# Altium PCB MainBoard.PcbDoc (part 3 of 4)
Units mm, origin at the board's own origin, x right, y up, seen from the top; angles counter-clockwise.
Board outline 107.12 x 107.12 mm, 4 copper layers (Top Layer, Internal Plane 1, Internal Plane 2, Bottom Layer), stack 1.56 mm thick; 344 components, 254 nets, 1322 pads, 508 vias.
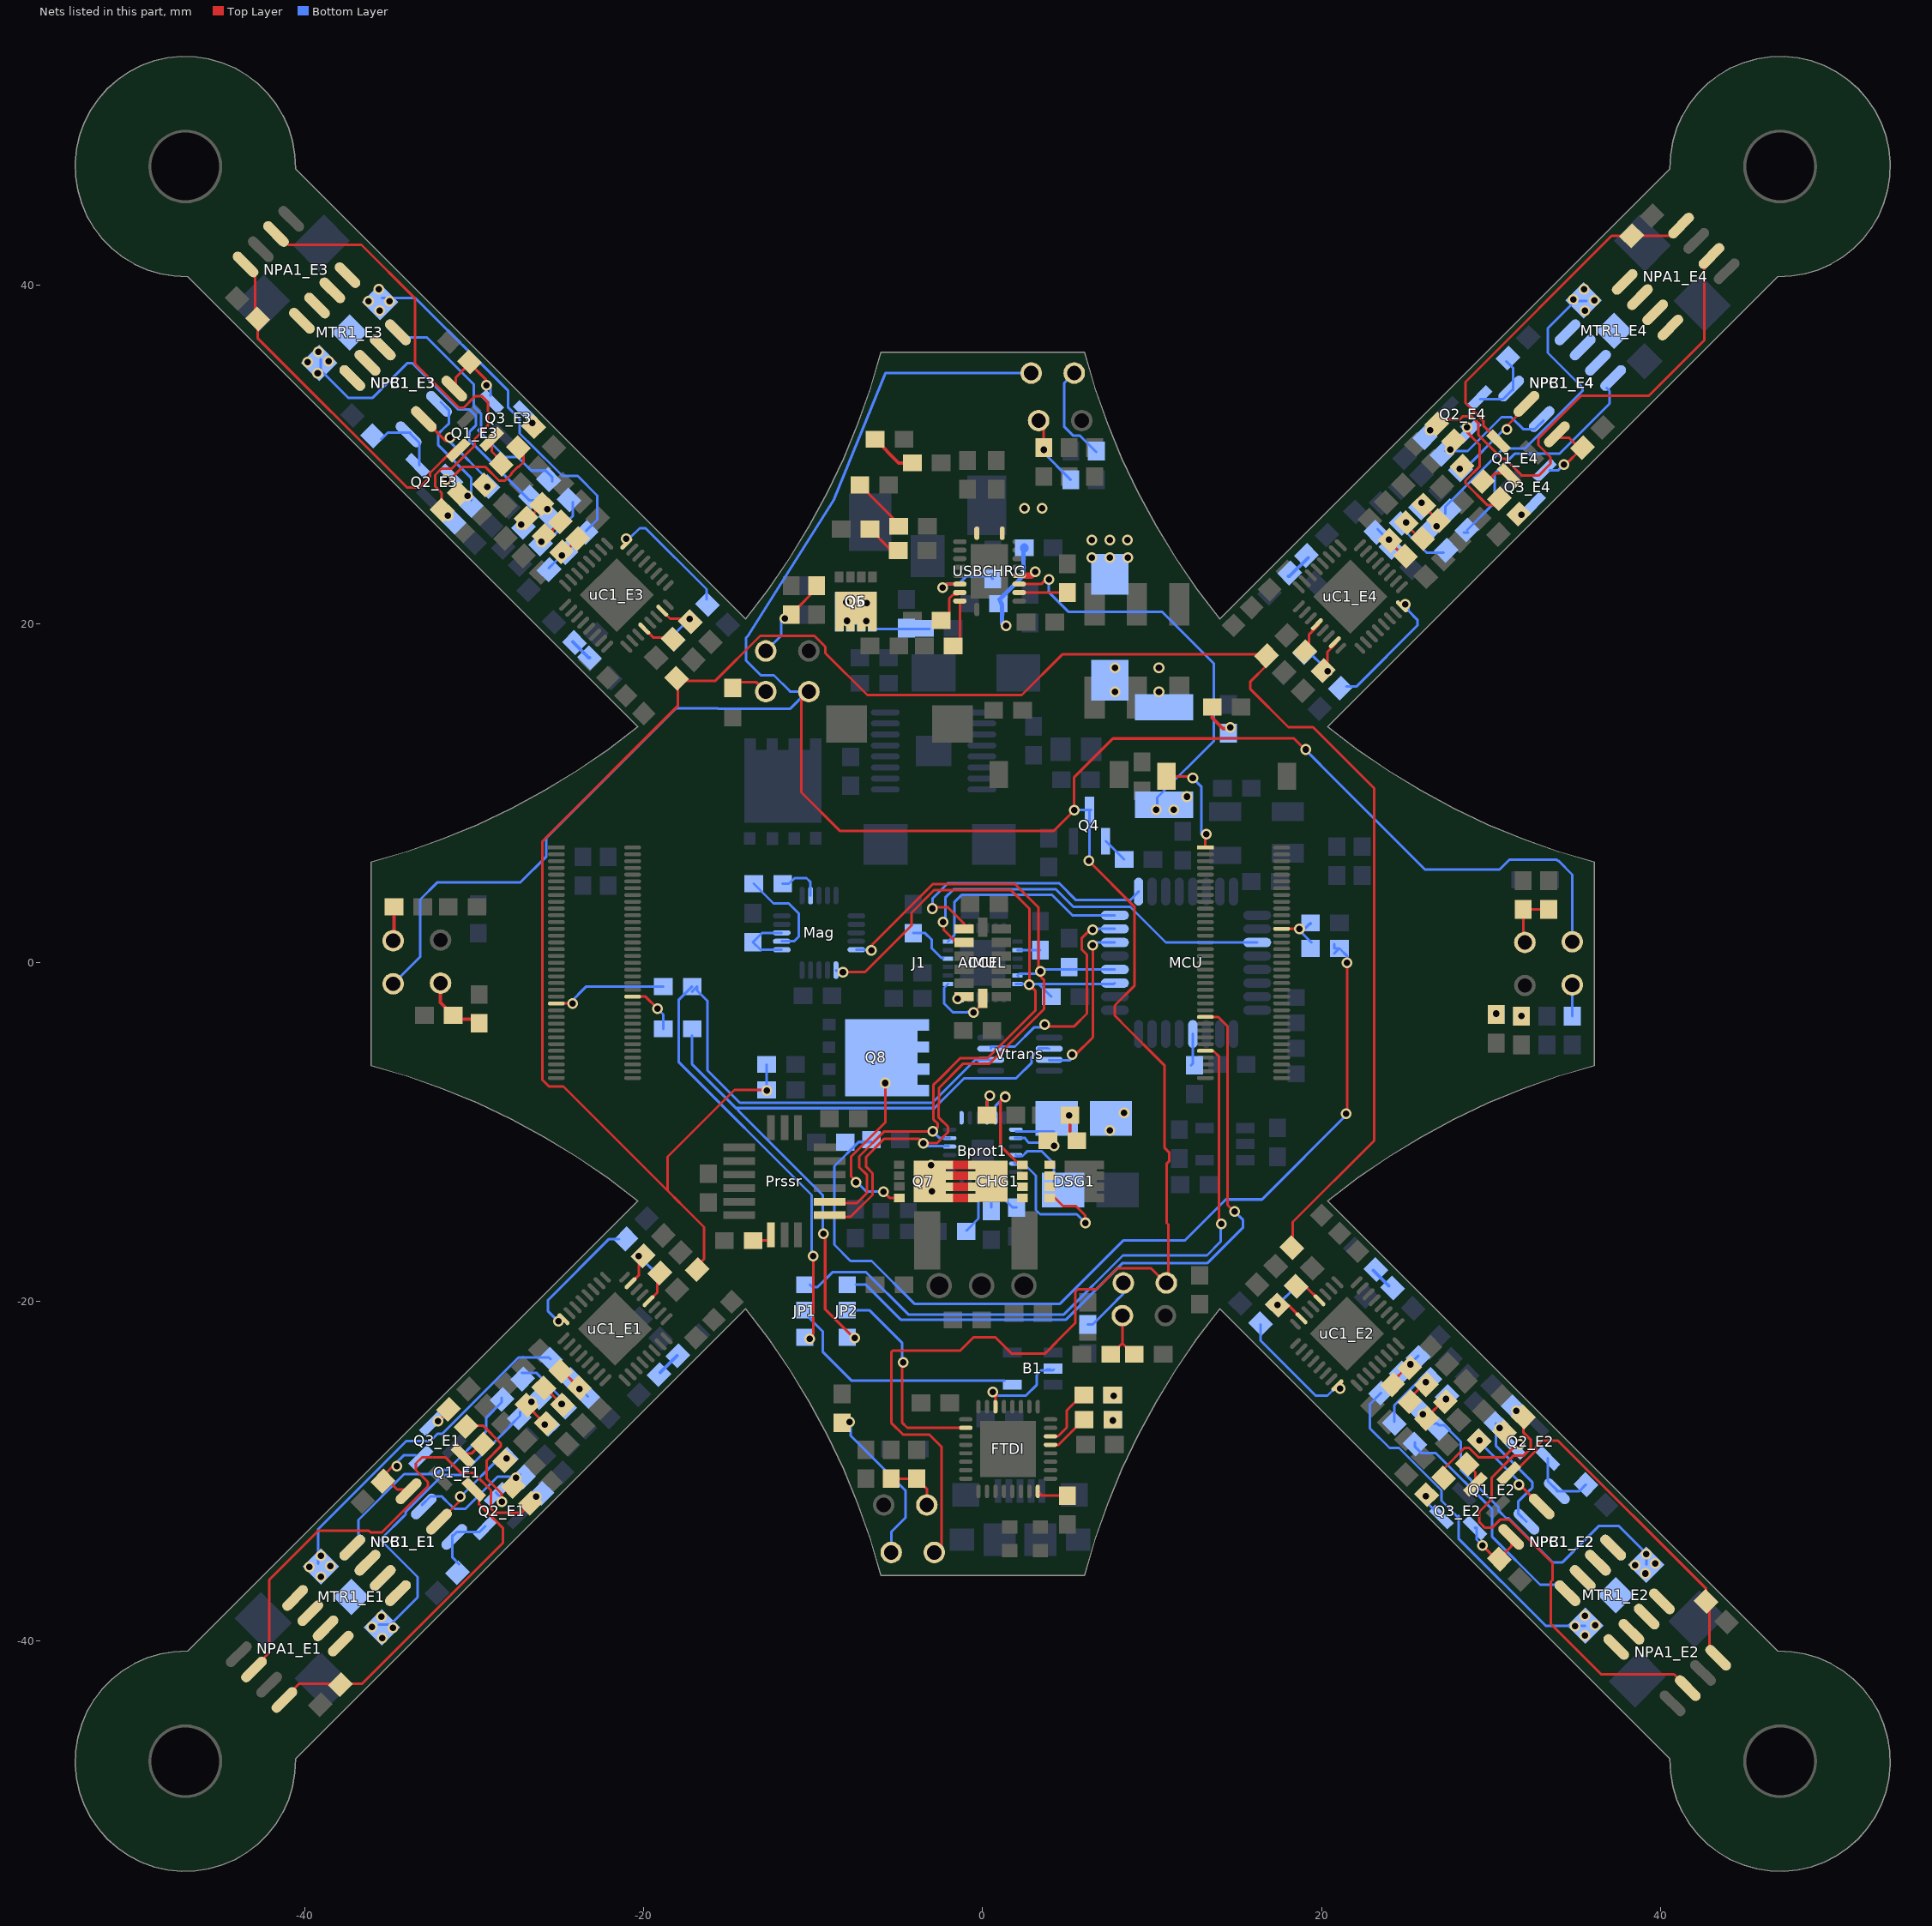
[diagram p5: the nets of this part, all layers, seen from the top]

## Via types
v1: diameter 0.635, hole 0.381, Top Layer to Bottom Layer, 475 vias
v2: diameter 1.304, hole 1.05, Top Layer to Bottom Layer, 8 vias
v3: diameter 1.804, hole 1.55, Top Layer to Bottom Layer, 8 vias
v4: diameter 2.006, hole 1.65, Top Layer to Bottom Layer, 4 vias
v5: diameter 1.006, hole 0.65, Top Layer to Bottom Layer, 4 vias
v6: diameter 1.856, hole 1.5, Top Layer to Bottom Layer, 4 vias
v7: diameter 1.956, hole 1.6, Top Layer to Bottom Layer, 2 vias
v8: diameter 0.762, hole 0.508, Top Layer to Bottom Layer, 1 vias
v9: diameter 0.7, hole 0.4, Top Layer to Bottom Layer, tented top, 1 vias
v10: diameter 0.635, hole 0.381, Top Layer to Bottom Layer, tented top, 1 vias

## Nets (pads, with @x,y where several pads share a name; then routed paths per layer and width w, separated by ;. In a path a pad name is that pad's centre, name@x,y a point inside that pad or via, vN(x,y) a via of type N, cw(c..) or ccw(c..) an arc to the next point about the centre after c; other vN are vias at no path point) (continued)
NetACCEL_8: ACCEL.8 MCU.1 | length 16.8
  Top Layer w0.152: v1@-3.067,3.133 -2.936,3.264 -2.045,3.264 -1.097,2.317 ACCEL.8@-1.097,2
  Bottom Layer w0.152: v1@-3.067,3.133 -3.075,3.125 -3.1,3.1 -3.1,3.15 v1@-3.1,3.2 ; v1@-3,3.1 -3.05,3.15 -3.075,3.175 v1@-3.1,3.2 ; MCU.1@9.2,4.2 8.7,3.7 5.5,3.7 4.5,4.7 -2.05,4.7 -2.972,3.778 -2.972,3.328 v1@-3.1,3.2
  other v1: -2.972,3.2
NetACCEL_9: ACCEL.9 MCU.11 | length 23.3
  Top Layer w0.152: v1@-2.311,2.438 -2.311,1.961 -1.55,1.2 ACCEL.9@-1.097,1.2
  Bottom Layer w0.152: v1@-2.208,2.489 -2.208,3.842 -1.7,4.35 4.3,4.35 5.35,3.3 7.038,3.3 7.041,3.304 8.559,3.304 8.562,3.3 8.7,3.3 10.8,1.2 MCU.11@16.2,1.2
  other v1: -2.337,2.413
NetACCEL_13: ACCEL.13 IMU.6
  other v1: -1.469,-2.127
NetACCEL_14: ACCEL.14 IMU.7 | length 4.4
  Top Layer w0.152: v1@-0.7,-2.75 -0.7,-2.8 -0.405,-2.8 0,-2.395 ACCEL.14@0,-2.097
  Bottom Layer w0.152: IMU.7@-2.05,-1.25 -2.278,-1.478 -2.278,-2.412 -1.773,-2.917 -0.867,-2.917 -0.7,-2.75 v1@-0.6,-2.75
  other v1: -0.537,-2.927
NetB1_2: B1.2 FTDI.30 | length 5.7
  Top Layer w0.152: FTDI.30@0.75,-26.2 0.75,-25.4 0.85,-25.55
  Bottom Layer w0.152: v1@0.75,-25.45 0.85,-25.55 2.55,-25.55 3.2,-24.9 3.2,-24.3 3.45,-24.05 4.15,-24.05 B1.2@4.2,-24 ; B1.2@3.777,-24 B1.2@4,-24
  other v1: 0.598,-25.321
NetB1_4: B1.4 JP1.2 | length 14.2
  Bottom Layer w0.152: JP1.2@-10.2,-20.5 -10.2,-21 -9.45,-21.75 -9.45,-22.95 -7.732,-24.668 B1.4@1.302,-24.668
NetBprot1_2: Bprot1.2 R52.1 | length 1.9
  Bottom Layer w0.152: Bprot1.2@0.75,-13.15 0.75,-13.425 1.775,-14.45 R52.1@2,-14.45
NetBprot1_3: Bprot1.3 R53.1 | length 1.4
  Bottom Layer w0.152: Bprot1.3@0.25,-13.15 0.25,-13.75 0.5,-14 R53.1@0.5,-14.45
NetBprot1_4: Bprot1.4 R54.1 | length 3
  Bottom Layer w0.152: R54.1@-0.95,-15.8 -0.25,-15.1 -0.25,-13.26 -0.195,-13.205 Bprot1.4@-0.25,-13.15
NetBprot1_10: Bprot1.10 IMU.23 Mag.1 MCU.28 Prssr.9 R66.1 | length 49.6
  Top Layer w0.152: Prssr.9@-8.898,-14.981 -8.879,-15 -7.8,-15 -6.5,-13.7 -6.5,-12.429 -6.875,-12.054 -6.875,-11.448 -5.827,-10.4 -3.737,-10.4 v1@-3.47,-10.666 ; v1@-6.667,0.767 v1@-6.65,0.75 ; v1@-6.55,0.65 -6.55,0.75 -6.55,1.031 -2.931,4.65 1.9,4.65 3.3,3.25 v1@3.3,-0.5 ; v1(-3.505,-10.652) v1@-3.357,-10.8 ; v1@-3.491,-10.62 -3.479,-10.632 -2.682,-10.632 -2.05,-10 -2.05,-9.675 -2.594,-9.131 -2.594,-8.312 -2.585,-8.303 -2.585,-7.385 -1.155,-5.955 0.4,-5.955 3.607,-2.748 3.607,-1.007 v1@3.3,-0.7
  Bottom Layer w0.152: Mag.1@-7.462,0.767 v1@-6.667,0.767 ; v1@-3.52,-10.573 -3.273,-10.82 Bprot1.10@-2.007,-10.82 ; IMU.23@2.1,-0.8 IMU.23@2.05,-0.75 2.147,-0.646 v1@3.357,-0.646 ; v1@3.21,-0.67 3.252,-0.614 v1@3.281,-0.575 ; v1@3.3,-0.7 v1@3.25,-0.7 ; v1@3.3,-0.5 v1@3.281,-0.575 ; MCU.28@7.8,-0.4 5.1,-0.4 3.55,-0.4 3.45,-0.5 3.45,-0.65 3.45,-0.7 v1@3.35,-0.6 ; v1@3.25,-0.7 3.3,-0.65 v1@3.35,-0.6 ; v1@3.25,-0.7 3.265,-0.641 v1@3.281,-0.575 ; v1@3.281,-0.575 3.3,-0.55 v1@3.35,-0.6
  other v1: 3.398,-0.506 -6.579,0.737
NetBprot1_11: Bprot1.11 IMU.24 Mag.20 MCU.27 Prssr.10 R47.1 | length 56.2
  Top Layer w0.152: Prssr.10@-8.898,-14.181 -7.431,-14.181 -6.825,-13.575 -6.825,-12.535 -7.284,-12.075 -7.284,-11.427 -5.808,-9.95 v1(-2.95,-9.95) v1@-2.9,-9.95 ; v1(-8.25,-0.55) -7,-0.55 -6.949,-0.55 -4.2,2.199 -4.2,2.95 -2.855,4.295 1.655,4.295 2.75,3.2 ; v1@-2.95,-10 -2.925,-9.975 v1@-2.9,-9.95 ; -1.054,-5.625 0.299,-5.625 3.124,-2.799 3.124,-1.674 2.846,-1.395 v1@2.751,-1.301 ; -1.002,-5.621 -1.315,-5.621 -2.65,-6.956 -2.661,-6.956 -2.899,-7.194 -2.899,-9.257 -2.65,-9.506 -2.65,-9.7 v1@-2.9,-9.95 ; v1@2.75,-1.26 2.75,3.2 ; v1(2.753,-1.298) v1@2.771,-1.281 ; v1@2.804,-1.25 v1@2.771,-1.281 ; 2.75,3.2 2.75,-1.281 2.75,-1.3 v1@2.771,-1.281
  Bottom Layer w0.152: Mag.20@-8.662,-0.433 -8.545,-0.55 v1(-8.25,-0.55) ; v1@-3,-9.9 v1(-2.95,-9.95) -2.55,-10.35 Bprot1.11@-1.95,-10.35 ; IMU.24@1.95,-1.25 IMU.24@2.05,-1.25 ; IMU.24@2.25,-1.25 IMU.24@2.05,-1.25 ; R47.1@4.05,-2 3.3,-1.25 ; MCU.27@7.8,-1.2 MCU.27@7.7,-1.25 ; IMU.24@2.05,-1.25 2.16,-1.26 2.771,-1.26 2.794,-1.26 2.804,-1.25 3.3,-1.25 ; 3.3,-1.25 5.5,-1.25 ; 5.5,-1.25 MCU.27@7.7,-1.25 ; 5.5,-1.25 MCU.27@7.7,-1.25
NetBprot1_13: Bprot1.13
NetBprot1_16: Bprot1.16 R56.2 | length 2.5
  Top Layer w0.152: R56.2@0.25,-9 0.25,-8.15 v1@0.45,-7.95
  Bottom Layer w0.152: Bprot1.16@0.25,-9.25 Bprot1.16@0.25,-9.15 0.25,-8.15 v1@0.45,-7.95
  other v1: 0.413,-7.837
NetBprot1_17: Bprot1.17 CHG1.2 | length 6
  Top Layer w0.152: v1@1.25,-7.95 1.05,-8.15 1.05,-10.8 CHG1.2@2.25,-12
  Bottom Layer w0.152: Bprot1.17@0.75,-9.15 0.75,-8.45 v1@1.25,-7.95
  other v1: 1.339,-7.91
NetBprot1_20: Bprot1.20 R55.2 | length 2.8
  Top Layer w0.152: R55.2@3.4,-10.55 R55.2@3.45,-10.5 ; R55.2@3.7,-10.65 R55.2@3.85,-10.5
  Bottom Layer w0.152: Bprot1.20@1.9,-10.35 Bprot1.20@1.95,-10.35 2.5,-10.35 2.697,-10.612 4.037,-10.612 v1@4.191,-10.767
  other v1: 4.21,-10.811
NetBprot1_22: Bprot1.22 D14.2 | length 4.2
  Bottom Layer w0.152: Bprot1.22@1.95,-11.35 2,-11.4 2.35,-11.4 2.619,-11.131 3.49,-11.131 4.2,-11.841 D14.2@4.2,-13.4
NetBprot1_23: Bprot1.23 DSG1.2 | length 9.7
  Top Layer w0.152: DSG1.2@3.965,-13.875 4.257,-13.875 4.74,-14.359 5.499,-14.359 6.05,-14.91 v1@6.05,-15.28
  Bottom Layer w0.152: Bprot1.23@1.86,-11.81 1.93,-11.88 2.46,-11.88 3.14,-12.56 3.14,-14.59 3.39,-14.84 5.55,-14.84 v1(6.06,-15.35)
NetC1_2: C1.2 IMU.20 | length 1.4
  Bottom Layer w0.152: IMU.20@2.05,0.75 C1.2@3.4,0.75
NetC6_2: C6.2 IMU.10 | length 2.7
  Bottom Layer w0.152: C6.2@-4.1,1.75 -3.4,1.75 -3,1.35 -3,0.85 -2.43,0.28 IMU.10@-2.337,0.28
NetC9_2: C9.2 MCU.20 | length 1.9
  Bottom Layer w0.152: C9.2@12.3,-6.05 12.4,-5.95 MCU.20@12.4,-4.2
NetC25_1: C25.1 FTDI.16 | length 1.9
  Top Layer w0.152: FTDI.16@3.25,-31.2 3.5,-31.45 C25.1@5,-31.45
NetC26_2: C26.2 Q5.3 Q6.3 R50.1 | length 3.7
  Bottom Layer w0.152: Q5.3@-6.706,19.939 -6.467,19.7 C26.2@-3.15,19.7
  other v1: -8.01,20.18 -6.86,20.17 -6.85,21.22 -8.05,21.28
NetC27_2: C27.2 C32.1 L1.2 Rsns2.2 USBCHRG.15 | length 7.3
  Top Layer w0.152: USBCHRG.15@2.367,22.9 2.317,22.85 USBCHRG.15@2.487,22.85
  Top Layer w0.356: USBCHRG.15@2.487,22.85 2.884,22.85 v1@3.127,23.093
  Bottom Layer w0.254: v1@1.406,19.743 1.138,20.011 1.138,21.1 1,21.45 2.4,22.85 ; C32.1@2.45,24.5 2.4,24.45 2.4,22.85 ; v1@3.1,23.141 2.808,22.85 2.4,22.85
  Bottom Layer w0.508: C32.1@2.45,24.45 C32.1@2.45,24.5
  other v1: 7.8,16 10.4,16 7.8,17.4 10.4,17.4 1.383,19.886 3.099,23.089
NetC30_2: C30.2 USBCHRG.7 | length 4.4
  Top Layer w0.152: v1@-2.413,22.123 -2.186,22.35 USBCHRG.7@-1.426,22.35
  Bottom Layer w0.152: v1@-2.4,22.109 -2.162,22.348 -1.452,22.348 ; -1.431,22.339 -0.969,22.8 0.45,22.8 C30.2@0.6,22.65
  other v1: -2.364,22.139
NetC38_2: C38.2 R63.1 R71.1 | length 54.5
  Top Layer w0.152: v1@21.5,-8.95 v1(21.5,0)
  Bottom Layer w0.152: R63.1@-6.55,-10.579 -7.329,-10.579 -8.76,-12.01 -8.76,-15.724 -8.752,-15.732 -8.752,-16.268 -8.76,-16.276 -8.76,-16.64 -7.8,-17.6 -6.55,-17.6 -4.006,-20.144 4.541,-20.144 8.288,-16.397 9.931,-16.397 ; 9.932,-16.398 11.923,-16.398 14.351,-13.97 16.48,-13.97 v1@21.5,-8.95 ; R71.1@20.75,0.55 R71.1@21.05,0.85 21.5,0.4 v1@21.5,0.1 ; R71.1@20.75,1.1 20.75,0.85 R71.1@20.95,0.85
  other v1: 21.45,-8.9
NetC42_1: C42.1 Prssr.7 | length 1.6
  Top Layer w0.152: C42.1@-13.918,-16.381 -13.55,-16.381 -12.608,-16.381 -12.393,-16.167 Prssr.7@-12.368,-16.141
NetC45_E1_1: C45_E1.1 R67_E1.1 R68_E1.2 uC1_E1.23 | length 3.4
  Top Layer w0.152: uC1_E1.23@-20.8,-18.95 -20.772,-18.922 -20.301,-18.451 C45_E1.1@-20.301,-17.301
  Bottom Layer w0.152: R68_E1.2@-20.301,-17.301 -20.176,-17.426 R67_E1.1@-19.201,-18.401
  other v1: -20.3,-17.3
NetC45_E2_1: C45_E2.1 R67_E2.1 R68_E2.2 uC1_E2.23 | length 3.4
  Top Layer w0.152: R68_E2.2@17.533,-20.201 R68_E2.2@17.401,-20.201 18.033,-20.201 uC1_E2.23@18.813,-20.981
  Bottom Layer w0.152: C45_E2.1@17.401,-20.201 R67_E2.1@18.501,-19.101
  other v1: 17.4,-20.2
NetC45_E3_1: C45_E3.1 R67_E3.1 R68_E3.2 uC1_E3.23 | length 3.4
  Top Layer w0.152: uC1_E3.23@-18.95,20.8 -18.922,20.772 -18.451,20.301 C45_E3.1@-17.301,20.301
  Bottom Layer w0.152: R67_E3.1@-18.401,19.201 -17.351,20.251 R68_E3.2@-17.301,20.301
  other v1: -17.3,20.3
NetC45_E4_1: C45_E4.1 R67_E4.1 R68_E4.2 uC1_E4.23 | length 3.6
  Top Layer w0.152: v1(20.35,17.2) 20.351,17.251 20.351,18.351 20.847,18.847 uC1_E4.23@20.85,18.85
  Bottom Layer w0.152: R67_E4.1@19.051,18.251 19.201,18.401 20.226,17.376 R68_E4.2@20.301,17.301
NetC58_2: C58.2 Mag.13 Mag.15 | length 3.8
  Bottom Layer w0.152: Mag.15@-11.862,0.767 -13.112,0.767 C58.2@-13.562,1.217 -13.012,1.767 Mag.13@-11.862,1.767
NetC60_1: C60.1 Mag.14 | length 5.9
  Bottom Layer w0.152: C60.1@-13.512,4.667 -12.345,3.5 -11.45,3.5 -10.85,2.9 -10.85,1.55 -11.133,1.267 Mag.14@-11.862,1.267
NetC60_2: C60.2 Mag.9 | length 2.7
  Bottom Layer w0.152: C60.2@-11.812,4.667 -11.433,4.667 -11.1,5 -10.4,5 -10.162,4.762 Mag.9@-10.162,3.967
NetCesc1_E1_2: Cesc1_E1.2 uC1_E1.20 | length 1.9
  Top Layer w0.152: uC1_E1.20@-19.772,-20.022 -19.722,-19.972 -19.201,-19.451 Cesc1_E1.2@-19.201,-18.401
NetCesc1_E2_2: Cesc1_E2.2 uC1_E2.20 | length 1.8
  Top Layer w0.152: Cesc1_E2.2@18.555,-19.101 Cesc1_E2.2@18.501,-19.101 19.055,-19.101 uC1_E2.20@19.874,-19.92
NetCesc1_E3_2: Cesc1_E3.2 uC1_E3.20 | length 1.9
  Top Layer w0.152: uC1_E3.20@-20.022,19.772 -19.972,19.722 -19.451,19.201 Cesc1_E3.2@-18.401,19.201
NetCesc1_E4_2: Cesc1_E4.2 uC1_E4.20 | length 1.9
  Top Layer w0.152: Cesc1_E4.2@19.251,18.301 19.251,18.351 19.251,19.351 19.797,19.897 uC1_E4.20@19.822,19.922
NetCHG1_1: CHG1.1 DSG1.1
NetCHRG_1: CHRG.1 R57.1 | length 3.3
  Top Layer w0.152: CHRG.1@-7.25,28.2 R57.1@-4.95,25.9
NetDONE_1: DONE.1 R58.1 | length 2.8
  Top Layer w0.203: DONE.1@-6.35,30.9 -4.95,29.5 R58.1@-4.15,29.5
NetE1_1: E1.1 E2.1 E3.1 E4.1 E5.1 E6.1 Q4.3 | length 197.1
  Top Layer w0.152: E6.1@-10.26,16 -10.7,15.56 -10.7,10.062 -8.41,7.772 4.172,7.772 5.35,8.95 5.388,9.008 v1@5.45,9.1 ; -4.092,-22.9 -5.316,-22.9 -5.398,-22.982 -5.398,-27.152 -4.7,-27.85 -3.15,-27.85 -2.436,-28.564 -2.436,-34.336 -2.88,-34.78 -2.9,-34.8 E4.1@-2.86,-34.8 ; -4.091,-22.9 -1.346,-22.9 -0.561,-22.115 0.707,-22.115 0.711,-22.11 0.748,-22.11 1.696,-23.059 3.687,-23.059 3.933,-22.813 ; 3.83,-22.916 4.343,-22.403 ; 4.328,-22.403 5.471,-21.26 5.471,-19.405 5.605,-19.271 6.71,-19.271 7.436,-18.545 7.436,-18.542 7.942,-18.036 9.936,-18.036 10.8,-18.9 E5.1@10.84,-18.9 10.85,-18.85 10.96,-18.74 10.96,-15.454 10.85,-15.344 10.85,-11.866 10.998,-11.718 10.998,-11.182 10.719,-10.903 10.719,-6.045 8.178,-3.504 8.178,-3.494 7.799,-3.115 7.799,-2.514 8.95,-1.362 8.95,3.318 v1@6.296,5.972 ; v1@5.5,9.025 5.481,9.054 v1@5.45,9.1 ; 13.836,13.236 18.369,13.236 18.85,12.754 v1@18.85,12.55 ; 13.9,13.234 7.684,13.234 5.4,10.95 5.4,9.15 v1@5.45,9.1
  Bottom Layer w0.152: E3.1@-34.8,-1.24 -34.79,-1.24 -33.2,0.35 -33.2,3.732 -32.182,4.75 -27.28,4.75 -25.756,6.274 -25.756,7.391 -18.136,15.011 -16.455,15.011 -15.645,15.011 -15.639,15.005 -11.355,15.005 E6.1@-10.36,16 ; -11.379,16 E6.1@-10.36,16 ; -11.379,16.027 -12.319,16.967 -13.098,16.967 -13.968,17.837 -13.968,19.182 -13.85,19.3 -8.75,27.4 -5.75,34.8 E2.1@2.86,34.8 ; E6.1@-10.26,16 E6.1@-10.36,16 ; v1@5.45,9.1 5.45,9.075 5.5,9.025 Q4.3@6.3,9.025 ; v1@6.3,6.045 Q4.3@6.3,9.025 ; Q4.3@6.4,9.025 Q4.3@6.3,9.025 ; v1@18.9,12.5 19,12.5 19.116,12.5 19.948,11.668 19.948,11.652 26.1,5.5 30.5,5.5 31.083,6.083 33.883,6.083 33.949,6.017 33.983,6.017 34.8,5.2 E1.1@34.8,1.24
  other v1: 6.274,6.02 5.4,9 19.075,12.588
NetE1_2: E1.2 R28.2 | length 1.8
  Bottom Layer w0.152: R28.2@34.8,-3.15 E1.2@34.8,-1.3
NetE2_2: E2.2 R29.2 | length 5.9
  Bottom Layer w0.152: E2.2@5.4,34.8 4.8,34.2 4.8,31.65 5.35,31.1 5.75,31.1 6.675,30.175 R29.2@6.7,30.15
NetE3_2: E3.2 R30.2 | length 2
  Top Layer w0.203: E3.2@-34.8,1.3 -34.75,1.35 R30.2@-34.75,3.3
NetE4_2: E4.2 R31.2 | length 9.4
  Bottom Layer w0.152: v1@-7.8,-27.1 -7.8,-27.9 -4.55,-31.15 -4.55,-32.75 -5.4,-33.6 E4.2@-5.4,-34.8
  other v1: -7.85,-27.1
NetE5_2: E5.2 R32.2 | length 3.5
  Bottom Layer w0.152: R32.2@6.2,-21.35 6.489,-21.35 7.506,-20.333 7.887,-19.953 7.887,-19.945 8.3,-19.532 E5.2@8.3,-18.9
NetE6_2: E6.2 R33.2 | length 2.2
  Top Layer w0.152: R33.2@-14.8,16.55 -13.35,16.55 E6.2@-12.8,16
NetFTDI_2: FTDI.2 JP2.2 | length 12.2
  Top Layer w0.152: v1@-4.75,-23.514 -4.75,-27.15 -4.45,-27.45 FTDI.2@-1,-27.45
  Bottom Layer w0.152: JP2.2@-7.5,-20.5 -6.7,-20.5 -4.75,-22.45 v1@-4.75,-23.54
  other v1: -4.686,-23.582
NetFTDI_21: FTDI.21 R49.2 | length 2.6
  Top Layer w0.152: FTDI.21@4,-28.45 4.475,-28.45 R49.2@5.959,-26.967
NetFTDI_22: FTDI.22 R48.2 | length 3.5
  Top Layer w0.152: FTDI.22@4,-27.95 4.439,-27.95 4.962,-27.427 4.962,-26.418 R48.2@5.722,-25.658 ; R48.2@5.871,-25.564 R48.2@5.896,-25.539 ; R48.2@5.921,-25.564 R48.2@5.896,-25.539 ; R48.2@5.946,-25.489 R48.2@5.921,-25.514 ; R48.2@5.971,-25.514 R48.2@5.921,-25.514 ; R48.2@5.896,-25.539 5.871,-25.514 R48.2@5.921,-25.514 ; R48.2@5.896,-25.539 R48.2@5.921,-25.514
NetGSTX1_1: "GSTIX RESET.1" J1.1 | length 6.1
  Top Layer w0.152: 10.85,11 12.3,11 v1(12.4,10.9) ; v1@13.1,7.5 13.1,7.4 13.141,7.359 J1.1@13.141,6.8
  Bottom Layer w0.152: v1(12.4,10.9) 12.9,10.4 12.9,7.6 13,7.5 v1@13.1,7.5
  other v1: 13.2,7.6
NetGSTX1_26: J1.26 JP2.3 | length 40
  Top Layer w0.152: J1.26@13.141,-3.2 13.9,-3.2 14.45,-3.75 14.45,-14.298 v1@15.011,-14.859
  Bottom Layer w0.152: JP2.3@-7.5,-19 -6.9,-19 -4.84,-21.06 -1.976,-21.06 -1.975,-21.059 -1.325,-21.059 -1.324,-21.06 4.919,-21.06 8.259,-17.72 13.268,-17.72 15.367,-15.621 15.367,-15.189 v1@14.884,-14.707
  other v1: 14.859,-14.681
NetGSTX1_31: J1.31 JP1.3 | length 39.3
  Top Layer w0.152: J1.31@13.141,-5.2 13.161,-5.2 13.612,-5.2 13.95,-5.538 v1@13.95,-15.392
  Bottom Layer w0.152: JP1.3@-10.2,-19 -10.05,-19.15 -9.75,-19.15 -8.871,-18.271 -6.879,-18.271 -4.395,-20.755 -2.102,-20.755 -2.101,-20.754 -1.199,-20.754 -1.198,-20.755 4.792,-20.755 8.278,-17.27 13.23,-17.27 14.046,-16.454 v1@14.046,-15.443
  other v1: 14.072,-15.418
NetGSTX1_58: J1.58 R71.2 R72.1 | length 2.8
  Top Layer w0.152: J1.58@17.641,2 v1@18.45,2
  Bottom Layer w0.152: v1@18.65,1.8 18.8,1.8 R72.1@19.35,2.35 R72.1@19.35,2.3 ; v1@18.65,1.95 R71.2@19.4,1.2
  other v1: 18.7,2
NetGSTX1_94: J1.94 JP4.1 | length 6.7
  Top Layer w0.152: J1.94@-25.161,-2.4 v1@-24.4,-2.4
  Bottom Layer w0.152: v1@-24.4,-2.4 -23.4,-1.4 JP4.1@-18.85,-1.4
  other v1: -24.2,-2.4
NetGSTX1_118: J1.118 JP3.1 | length 3.1
  Top Layer w0.152: J1.118@-20.661,-2 -19.9,-2 v1(-19.2,-2.7)
  Bottom Layer w0.152: v1(-19.2,-2.7) -18.85,-3.05 JP3.1@-18.85,-3.9
NetIMU_12: IMU.12 MCU.32 | length 12.6
  Bottom Layer w0.152: IMU.12@-2.05,1.25 -1.676,1.624 -1.676,3.574 -1.25,4 4.1,4 5.3,2.8 MCU.32@7.8,2.8
NetJP1_1: JP1.1 JP4.2 Vtrans.2 | length 49.9
  Top Layer w0.152: v1@-10.2,-22.1 -10,-21.9 v1(-10,-17.3)
  Bottom Layer w0.152: JP4.2@-17.15,-1.4 -17.95,-2.2 -17.95,-5.85 -10.1,-13.7 -10.1,-17.2 v1(-10,-17.3) ; Vtrans.2@-0.246,-5.725 Vtrans.2@-0.208,-5.725 ; Vtrans.2@-0.225,-5.775 -0.212,-5.736 Vtrans.2@-0.208,-5.725 ; Vtrans.2@-0.2,-5.7 Vtrans.2@-0.208,-5.725 ; Vtrans.2@0.475,-5.775 0.525,-5.775 Vtrans.2@0.475,-5.725 ; JP4.2@-17,-1.55 JP4.2@-16.85,-1.4 ; JP4.2@-17,-1.55 -17.15,-1.7 JP4.2@-17,-1.55 ; JP4.2@-17,-1.55 JP4.2@-16.85,-1.4 ; JP4.2@-16.85,-1.4 -16.85,-1.65 -16.25,-2.25 -16.25,-6.35 -14.334,-8.266 -2.97,-8.266 -0.429,-5.725 -0.256,-5.725 Vtrans.2@0.475,-5.725 ; Vtrans.2@-0.208,-5.725 Vtrans.2@0.475,-5.725